# KiCad board IchnaeaV2.kicad_pcb (continued)
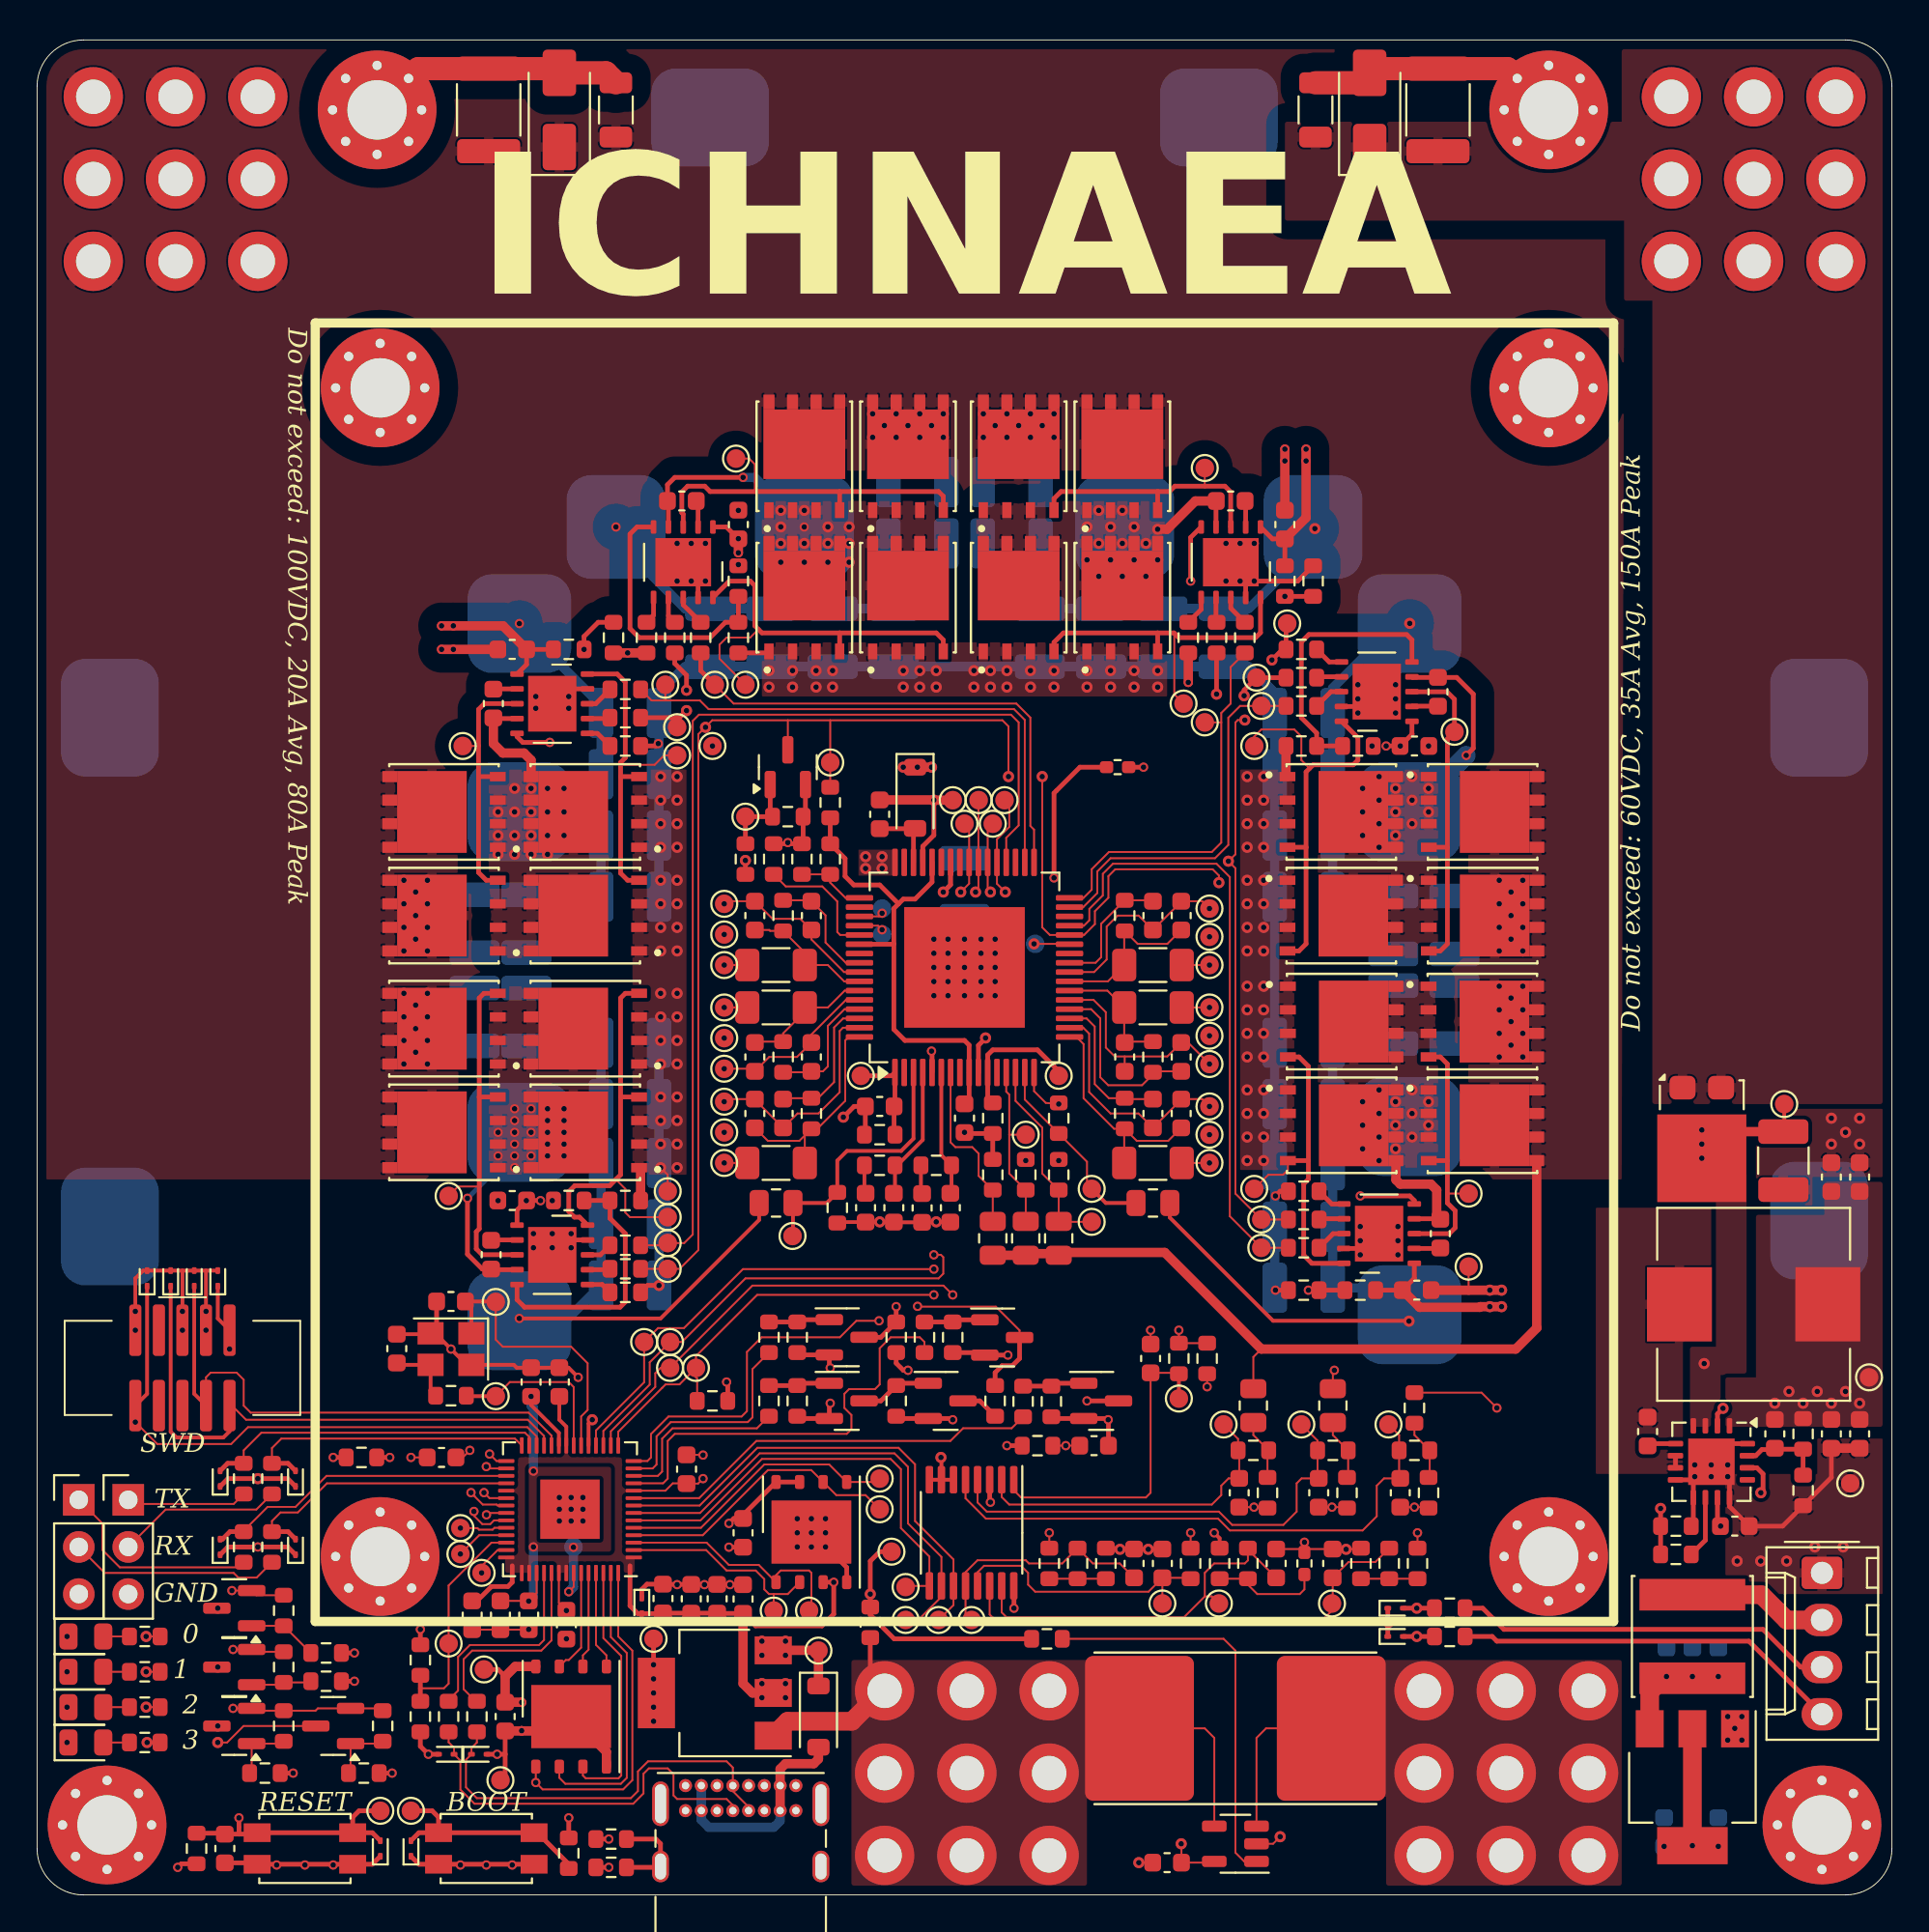
[diagram p0: board, top side]
## Placement (name value [footprint] x y rotation side) (continued)
R105  510  [R_0603_1608Metric]  5.8 8.22 180 top
R106  10k  [R_0603_1608Metric]  18.63 9.11 270 top
R107  100k  [R_0603_1608Metric]  65.57 23.97 180 top
R108  100k  [R_0603_1608Metric]  56.1 17.87 90 top
R109  10k  [R_0603_1608Metric]  54.57 17.87 90 top
R110  10k  [R_0603_1608Metric]  57.62 17.87 270 top
R111  10k  [R_0603_1608Metric]  74.42 17.87 90 top
R112  10k  [R_0603_1608Metric]  71.38 17.87 270 top
R113  100k  [R_0603_1608Metric]  72.9 17.87 90 top
R114  100k  [R_0603_1608Metric]  74.26 26.25 270 top
R115  10k  [R_0603_1608Metric]  75.02 21.68 90 top
R116  100k  [R_0603_1608Metric]  62.19 17.87 270 top
R117  100k  [R_0603_1608Metric]  74.26 23.97 180 top
R118  100k  [R_0603_1608Metric]  20.66 12.66 270 top
R119  10k  [R_0603_1608Metric]  20.66 9.61 90 top
R120  100k  [R_0603_1608Metric]  53.94 24.22 0 top
R121  100  [R_0603_1608Metric]  11.14 22.44 90 top
R122  100  [R_0603_1608Metric]  12.66 22.44 90 top
R123  100  [R_0603_1608Metric]  76.16 15.46 0 top
R124  100  [R_0603_1608Metric]  12.28 6.57 0 top
R125  10k  [R_0603_1608Metric]  13.3 9.11 270 top
R126  100  [R_0603_1608Metric]  15.58 11.52 0 top
R127  10k  [R_0603_1608Metric]  13.3 12.28 270 top
R128  100  [R_0603_1608Metric]  15.58 13.04 0 top
R129  10k  [R_0603_1608Metric]  13.3 15.33 270 top
R130  0.2m  [Shunt_5930]  64.6 8.98 0 top
R131  5.1k  [R_0603_1608Metric]  54.44 13.81 0 top
R132  10k  [R_0603_1608Metric]  44.92 14.69 90 top
SW1  Boot  [SW_SPST_EVQP2]  24.22 2.5 180 top
SW2  Reset  [SW_SPST_EVQP2]  14.44 2.5 180 top
TH1  10k-NTC  [R_0402_1005Metric_Pad0.72x0.64mm_HandSolder]  58.25 60.8 0 top
TH2  10k-NTC  [R_0402_1005Metric_Pad0.72x0.64mm_HandSolder]  68.33 17.87 90 top
TP1  TestPoint  [TestPoint_Pad_D1.0mm]  50 57.75 0 top
TP2  TestPoint  [TestPoint_Pad_D1.0mm]  50.76 59.02 0 top
TP3  TestPoint  [TestPoint_Pad_D1.0mm]  51.52 57.75 0 top
TP4  TestPoint  [TestPoint_Pad_D1.0mm]  52.16 59.02 0 top
TP5  TestPoint  [TestPoint_Pad_D1.0mm]  49.37 59.02 0 top
TP6  TestPoint  [TestPoint_Pad_D1.0mm]  66 36.41 0 top
TP7  TestPoint  [TestPoint_Pad_D1.0mm]  66 34.89 0 top
TP8  TestPoint  [TestPoint_Pad_D1.0mm]  65.62 38.06 0 top
TP9  TestPoint  [TestPoint_Pad_D1.0mm]  77.18 37.81 0 top
TP10  TestPoint  [TestPoint_Pad_D1.0mm]  77.18 33.87 0 top
TP11  TestPoint  [TestPoint_Pad_D1.0mm]  63.21 42.51 0 top
TP12  TestPoint  [TestPoint_Pad_D1.0mm]  63.21 40.98 0 top
TP13  TestPoint  [TestPoint_Pad_D1.0mm]  63.21 39.46 0 top
TP14  TestPoint  [TestPoint_Pad_D1.0mm]  38.19 58.13 0 top
TP15  TestPoint  [TestPoint_Pad_D1.0mm]  42.76 61.05 0 top
TP16  TestPoint  [TestPoint_Pad_D1.0mm]  98.77 27.9 0 top
TP17  TestPoint  [TestPoint_Pad_D1.0mm]  97.75 22.19 0 top
TP18  TestPoint  [TestPoint_Pad_D1.0mm]  94.2 42.63 0 top
TP19  TestPoint  [TestPoint_Pad_D1.0mm]  65.75 65.62 0 top
TP20  TestPoint  [TestPoint_Pad_D1.0mm]  66 64.1 0 top
TP21  TestPoint  [TestPoint_Pad_D1.0mm]  65.62 61.94 0 top
TP22  TestPoint  [TestPoint_Pad_D1.0mm]  76.42 62.7 0 top
TP23  TestPoint  [TestPoint_Pad_D1.0mm]  67.4 68.54 0 top
TP24  TestPoint  [TestPoint_Pad_D1.0mm]  61.81 64.22 0 top
TP25  TestPoint  [TestPoint_Pad_D1.0mm]  62.95 76.92 0 top
TP26  TestPoint  [TestPoint_Pad_D1.0mm]  62.95 63.21 0 top
TP27  TestPoint  [TestPoint_Pad_D1.0mm]  37.68 77.43 0 top
TP28  TestPoint  [TestPoint_Pad_D1.0mm]  38.19 65.24 0 top
TP29  TestPoint  [TestPoint_Pad_D1.0mm]  36.41 61.94 0 top
TP30  TestPoint  [TestPoint_Pad_D1.0mm]  34.51 62.95 0 top
TP31  TestPoint  [TestPoint_Pad_D1.0mm]  36.54 65.24 0 top
TP32  TestPoint  [TestPoint_Pad_D1.0mm]  33.87 65.24 0 top
TP33  TestPoint  [TestPoint_Pad_D1.0mm]  22.95 61.94 0 top
TP34  TestPoint  [TestPoint_Pad_D1.0mm]  34.51 61.43 0 top
TP35  TestPoint  [TestPoint_Pad_D1.0mm]  34 36.54 90 top
TP36  TestPoint  [TestPoint_Pad_D1.0mm]  22.19 37.68 90 top
TP37  TestPoint  [TestPoint_Pad_D1.0mm]  34 37.94 90 top
TP38  TestPoint  [TestPoint_Pad_D1.0mm]  34 33.74 90 top
TP39  TestPoint  [TestPoint_Pad_D1.0mm]  34 35.14 90 top
TP40  TestPoint  [TestPoint_Pad_D1.0mm]  37.05 39.46 0 top
TP41  TestPoint  [TestPoint_Pad_D1.0mm]  37.05 42.76 0 top
TP42  TestPoint  [TestPoint_Pad_D1.0mm]  37.05 41.11 0 top
TP43  TestPoint  [TestPoint_Pad_D1.0mm]  37.05 46.19 0 top
TP44  TestPoint  [TestPoint_Pad_D1.0mm]  37.05 47.84 0 top
TP45  TestPoint  [TestPoint_Pad_D1.0mm]  37.05 44.54 0 top
TP46  TestPoint  [TestPoint_Pad_D1.0mm]  37.05 51.78 0 top
TP47  TestPoint  [TestPoint_Pad_D1.0mm]  37.05 50.13 0 top
TP48  TestPoint  [TestPoint_Pad_D1.0mm]  37.05 53.43 0 top
TP49  TestPoint  [TestPoint_Pad_D1.0mm]  63.21 47.84 0 top
TP50  TestPoint  [TestPoint_Pad_D1.0mm]  63.21 44.79 0 top
TP51  TestPoint  [TestPoint_Pad_D1.0mm]  63.21 46.32 0 top
TP52  TestPoint  [TestPoint_Pad_D1.0mm]  63.21 51.65 0 top
TP53  TestPoint  [TestPoint_Pad_D1.0mm]  63.21 50.13 0 top
TP54  TestPoint  [TestPoint_Pad_D1.0mm]  63.21 53.17 0 top
TP55  TestPoint  [TestPoint_Pad_D1.0mm]  45.56 51.78 180 bottom
TP56  TestPoint  [TestPoint_Pad_D1.0mm]  53.81 51.27 180 bottom
TP57  TestPoint  [TestPoint_Pad_D1.0mm]  45.56 53.17 180 bottom
TP58  TestPoint  [TestPoint_Pad_D1.0mm]  44.41 44.16 0 top
TP59  TestPoint  [TestPoint_Pad_D1.0mm]  55.08 44.16 0 top
TP60  TestPoint  [TestPoint_Pad_D1.0mm]  56.86 38.06 0 top
TP61  TestPoint  [TestPoint_Pad_D1.0mm]  56.86 36.28 0 top
TP62  TestPoint  [TestPoint_Pad_D1.0mm]  53.3 40.98 0 top
TP63  TestPoint  [TestPoint_Pad_D1.0mm]  40.73 35.52 0 top
TP64  TestPoint  [TestPoint_Pad_D1.0mm]  28.92 18.76 180 bottom
TP65  TestPoint  [TestPoint_Pad_D1.0mm]  33.24 13.81 0 top
TP66  TestPoint  [TestPoint_Pad_D1.0mm]  42.13 13.17 0 top
TP67  TestPoint  [TestPoint_Pad_D1.0mm]  46.06 18.5 0 top
TP68  TestPoint  [TestPoint_Pad_D1.0mm]  48.6 14.82 0 top
TP69  TestPoint  [TestPoint_Pad_D1.0mm]  46.82 14.82 0 top
TP70  TestPoint  [TestPoint_Pad_D1.0mm]  46.82 16.6 0 top
TP71  TestPoint  [TestPoint_Pad_D1.0mm]  24.09 12.15 0 top
TP72  TestPoint  [TestPoint_Pad_D1.0mm]  24.98 6.19 0 top
TP73  TestPoint  [TestPoint_Pad_D1.0mm]  18.5 4.53 0 top
TP74  TestPoint  [TestPoint_Pad_D1.0mm]  20.16 4.53 0 top
TP75  TestPoint  [TestPoint_Pad_D1.0mm]  24.73 31.97 90 top
TP76  TestPoint  [TestPoint_Pad_D1.0mm]  24.73 26.89 90 top
TP77  TestPoint  [TestPoint_Pad_D1.0mm]  41.62 15.33 0 top
TP78  TestPoint  [TestPoint_Pad_D1.0mm]  45.43 20.79 0 top
TP79  TestPoint  [TestPoint_Pad_D1.0mm]  45.43 22.44 0 top
TP80  TestPoint  [TestPoint_Pad_D1.0mm]  39.71 15.33 0 top
TP81  TestPoint  [TestPoint_Pad_D1.0mm]  35.52 28.41 0 top
TP82  TestPoint  [TestPoint_Pad_D1.0mm]  34.12 28.41 0 top
TP83  TestPoint  [TestPoint_Pad_D1.0mm]  34.12 29.81 0 top
TP84  TestPoint  [TestPoint_Pad_D1.0mm]  32.73 29.81 0 top
TP85  TestPoint  [TestPoint_Pad_D1.0mm]  61.56 26.76 0 top
TP86  TestPoint  [TestPoint_Pad_D1.0mm]  22.82 18.38 0 top
TP87  TestPoint  [TestPoint_Pad_D1.0mm]  22.19 13.55 0 top
TP88  TestPoint  [TestPoint_Pad_D1.0mm]  22.82 19.77 0 top
TP89  TestPoint  [TestPoint_Pad_D1.0mm]  68.16 25.36 0 top
TP90  TestPoint  [TestPoint_Pad_D1.0mm]  63.72 15.71 0 top
TP91  TestPoint  [TestPoint_Pad_D1.0mm]  63.97 25.36 0 top
TP92  TestPoint  [TestPoint_Pad_D1.0mm]  72.86 25.36 0 top
TP93  TestPoint  [TestPoint_Pad_D1.0mm]  69.81 15.71 0 top
TP94  TestPoint  [TestPoint_Pad_D1.0mm]  50.38 14.82 0 top
TP95  TestPoint  [TestPoint_Pad_D1.0mm]  60.67 15.71 0 top
TP96  TestPoint  [TestPoint_Pad_D1.0mm]  23.97 17.36 0 top
U1  LTC7871  [LQFP-64-1EP_10x10mm_P0.5mm_EP6.5x6.5mm]  50 50 90 top
U2  HIP2210  [TDFN-10-1EP_4x4mm_P0.8mm_EP2.6x3mm]  72.35 35.65 180 top
U3  HIP2210  [TDFN-10-1EP_4x4mm_P0.8mm_EP2.6x3mm]  72.22 64.87 180 top
U4  HIP2210  [TDFN-10-1EP_4x4mm_P0.8mm_EP2.6x3mm]  64.36 71.84 270 top
U5  HIP2210  [TDFN-10-1EP_4x4mm_P0.8mm_EP2.6x3mm]  34.84 71.84 270 top
U6  HIP2210  [TDFN-10-1EP_4x4mm_P0.8mm_EP2.6x3mm]  27.78 64.22 0 top
U7  HIP2210  [TDFN-10-1EP_4x4mm_P0.8mm_EP2.6x3mm]  27.78 34.51 0 top
U8  AP66200FVBW-13  [QFN-16-1EP_4x4mm_P0.65mm_EP2.5x2.5mm]  90.27 23.35 270 top
U9  74HC4051PW  [TSSOP-16_4.4x5mm_P0.65mm]  50.38 19.52 270 top
U10  W25Q32JVZP  [WSON-8-1EP_6x5mm_P1.27mm_EP3.4x4.3mm]  28.79 9.61 90 top
U11  RP2040  [QFN-56-1EP_7x7mm_P0.4mm_EP3.2x3.2mm]  28.73 20.79 180 top
U12  LM1117MP-5.0  [SOT-223-3_TabPin2]  89.24 5.8 270 top
U13  LM1117MP-3.3  [SOT-223-3_TabPin2]  36.54 10.88 180 top
U14  W25Q32JVZP  [WSON-8-1EP_6x5mm_P1.27mm_EP3.4x4.3mm]  41.75 19.56 90 top
U15  INA180A4  [SOT-23-5]  64.6 2.76 180 top
Y1  12MHz  [Crystal_SMD_3225-4Pin_3.2x2.5mm]  22.31 29.43 180 top

## Library data of the parts
C1 = -: Description: Unpolarized capacitor; Digikey: N/A; LCSC: C96446; Voltage: 25; ki_fp_filters: C_*
C2 C4 C5 C7 C11 C13 C17 C19 C25 C31 C35 C37 C41-C48 C50 C51 C53-C65 C71-C73 C82 C83 = -: Description: Unpolarized capacitor; Digikey: 445-CGA6P1X7R1N106M250ACCT-ND; LCSC: C576517; ki_fp_filters: C_*
C3 C6 C12 C18 C24 C30 C36 C75 C78-C81 C85 C87 C90 C93 C95 C105-C110 = -: Description: Unpolarized capacitor; Digikey: N/A; LCSC: C96446; ki_fp_filters: C_*
C8 C10 C14 C16 C20 C22 C26 C28 C32 C34 C38 C40 = -: Description: Unpolarized capacitor; Digikey: N/A; LCSC: C1623; ki_fp_filters: C_*
C9 C15 C21 C23 C27 C29 C33 C39 C66 C69 C70 C74 C76 C84 C86 C88 C89 C91 C92 C94 C96-C104 C111 = -: Description: Unpolarized capacitor; LCSC: C14663; Digikey: N/A; ki_fp_filters: C_*
C49 C52 = -: Description: Unpolarized capacitor; Digikey: N/A; LCSC: C1644; ki_fp_filters: C_*
C67 C68 C77 = -: Description: Unpolarized capacitor; LCSC: C1671; Digikey: N/A; ki_fp_filters: C_*
D1 = -: Datasheet: https://www.lcsc.com/datasheet/lcsc_datasheet_2401290750_MDD-Microdiode-Semiconductor-SB10100L_C113946.pdf; Description: Schottky diode, anode on pins 1 and 2; LCSC: C113946; ki_fp_filters: TO-???* *_Diode_* *SingleDiode* D_*
D2 D3 D19-D21 D24 = -: Datasheet: https://www.onsemi.com/pub/Collateral/ESD9B-D.PDF; Description: ESD protection diode, 5.0Vrwm, SOD-923; LCSC: C3021104; ki_fp_filters: D*SOD?923*
D4 D10 = -: Description: Schottky diode; LCSC: C179426; ki_fp_filters: TO-???* *_Diode_* *SingleDiode* D_*
D5 D6 = -: Description: Light emitting diode; LCSC: C2296; Digikey: N/A; ki_fp_filters: LED* LED_SMD:* LED_THT:*
D7 D8 = -: Description: Light emitting diode; LCSC: C2297; Digikey: N/A; ki_fp_filters: LED* LED_SMD:* LED_THT:*
D9 D11-D18 = -: Datasheet: https://www.onsemi.com/pub/Collateral/ESD9B-D.PDF; Description: ESD protection diode, 3.3Vrwm, SOD-923; LCSC: C96512; ki_fp_filters: D*SOD?923*
D22 = -: Datasheet: https://www.littelfuse.com/media?resourcetype=datasheets&itemid=75e32973-b177-4ee3-a0ff-cedaf1abdb93&filename=smaj-datasheet; Description: 400W unidirectional Transient Voltage Suppressor, 90.0Vr, SMA(DO-214AC); LCSC: C2989723; ki_fp_filters: D*SMA*
D23 = -: Datasheet: https://www.littelfuse.com/media?resourcetype=datasheets&itemid=75e32973-b177-4ee3-a0ff-cedaf1abdb93&filename=smaj-datasheet; Description: 400W unidirectional Transient Voltage Suppressor, 60.0Vr, SMA(DO-214AC); LCSC: C707480; ki_fp_filters: D*SMA*
GD1 GD2 = -: Datasheet: https://www.lcsc.com/datasheet/lcsc_datasheet_1809111912_Brightking-4532-091-LF_C78323.pdf; Description: Gas Discharge Tube with 2 Pins; LCSC: C78323
H1-H8 = -: Description: Mounting Hole with connection; Digikey: N/A; LCSC: N/A; ki_fp_filters: MountingHole*Pad*
J1-J3 J8 = -: Description: Generic screw terminal, single row, 01x09, script generated (kicad-library-utils/schlib/autogen/connector/); Digikey: 732-74651195RCT-ND; LCSC: N/A; ki_fp_filters: TerminalBlock*:*
J4 = -: Description: Generic connector, double row, 02x05, counter clockwise pin numbering scheme (similar to DIP package numbering), script generated (kicad-library-utils/schlib/autogen/connector/); Digikey: 1175-1629-ND; LCSC: N/A; ki_fp_filters: Connector*:*_2x??_*
J5 = -: Description: Generic connector, single row, 01x04, script generated; Digikey: WM4330-ND; Notes: https://allpinouts.org/pinouts/connectors/motherboards/motherboard-cpu-4-pin-fan/; LCSC: N/A; ki_fp_filters: Connector*:*_1x??_*
J6 J7 = -: Description: Generic connector, single row, 01x03, script generated; Digikey: N/A; LCSC: N/A; ki_fp_filters: Connector*:*_1x??_*
L1-L6 = -: Description: Inductor with ferrite core; Digikey: PQ2614BLA-3R3K-ND; LCSC: N/A; ki_fp_filters: Choke_* *Coil* Inductor_* L_*
L7 = -: Description: Inductor with ferrite core; Digikey: N/A; LCSC: C182173; ki_fp_filters: Choke_* *Coil* Inductor_* L_*
L8 = -: Description: Inductor with ferrite core; LCSC: C168103; ki_fp_filters: Choke_* *Coil* Inductor_* L_*
P1 = -: Datasheet: https://www.usb.org/sites/default/files/documents/usb_type-c.zip; Description: USB 2.0-only 16P Type-C Receptacle connector; Digikey: 2073-USB4085-GF-ACT-ND; LCSC: C7095263; ki_fp_filters: USB*C*Receptacle*
Q1 Q26 Q28-Q34 = -: Datasheet: https://www.onsemi.com/pub/Collateral/BSS138-D.PDF; Description: 50V Vds, 0.22A Id, N-Channel MOSFET, SOT-23; Digikey: 5272-BSS138CT-ND; LCSC: C5224260; ki_fp_filters: SOT?23*
Q2-Q25 = -: Datasheet: https://www.mccsemi.com/pdf/Products/MCAC80N10Y(DFN5060).pdf; Description: N-MOSFET transistor, drain/gate/source; Digikey: 353-MCAC80N10Y-TPCT-ND; LCSC: N/A; DigiKey: 353-MCAC80N10Y-TPCT-ND
Q27 = -: Datasheet: http://assets.nexperia.com/documents/data-sheet/BSS84.pdf; Description: -0.13A Id, -50V Vds, P-Channel MOSFET, SOT-23; Digikey: 5272-BSS84CT-ND; LCSC: C2926187; ki_fp_filters: SOT?23*
R1 R51 = -: Description: Resistor, US symbol; LCSC: C21190; Digikey: N/A; ki_fp_filters: R_*
R2 R29 R36-R38 R40 R43-R46 R50 R61 R64 R66 R69 R72 R75 R77 R80 R84 R86 R89 R96 R106 R109-R112 R115 R119 R125 R127 R129 R132 = -: Description: Resistor, US symbol; LCSC: C25804; Digikey: N/A; ki_fp_filters: R_*
R3 R41 R42 R49 R83 R94 R97 R100 R101 R121-R124 R126 R128 = -: Description: Resistor, US symbol; Digikey: N/A; LCSC: C22775; ki_fp_filters: R_*
R4 R5 R8 R9 R12 R13 R16 R17 R20 R21 R25 R54 R56 R62 R63 R68 R71 R74 = -: Description: Resistor, US symbol; Digikey: N/A; LCSC: C21189; ki_fp_filters: R_*
R6 R10 R14 R18 R22 R26 = -: Description: Resistor, US symbol; Digikey: 311-6.20KFRCT-ND; LCSC: C3017007; ki_fp_filters: R_*
R7 R11 R15 R19 R23 R24 R27 R65 R67 R70 R73 R76 = -: Description: Resistor, US symbol; Digikey: N/A; LCSC: C4260; ki_fp_filters: R_*
R28 = -: Description: Resistor, US symbol; LCSC: C31850; Digikey: N/A; ki_fp_filters: R_*
R30 = -: Description: Resistor, US symbol; Digikey: N/A; LCSC: C22984; ki_fp_filters: R_*
R31 R35 R81 = -: Description: Resistor, US symbol; LCSC: C17709; Digikey: N/A; ki_fp_filters: R_*
R32 = -: Description: Resistor, US symbol; LCSC: C22809; Digikey: N/A; ki_fp_filters: R_*
R33 R39 = -: Description: Resistor, US symbol; Digikey: P787KHCT-ND; LCSC: C2933500; ki_fp_filters: R_*
R34 = -: Description: Resistor, US symbol; Digikey: N/A; LCSC: C17436; ki_fp_filters: R_*
R47 = -: Description: Resistor, US symbol; Digikey: N/A; LCSC: C4211; ki_fp_filters: R_*
R48 R85 R95 = -: Description: Resistor, US symbol; Digikey: N/A; LCSC: C21190; ki_fp_filters: R_*
R52 = -: Description: Resistor, US symbol; Digikey: N/A; LCSC: C23231; ki_fp_filters: R_*
R53 R55 = -: Description: Resistor, US symbol; LCSC: C17900; ki_fp_filters: R_*
R57 = -: Description: Resistor, US symbol; LCSC: C23231; Digikey: N/A; ki_fp_filters: R_*
R58 = -: Description: Resistor, US symbol; LCSC: C23192; Digikey: N/A; ki_fp_filters: R_*
R59 = -: Description: Resistor, US symbol; LCSC: C23234; Digikey: N/A; ki_fp_filters: R_*
R60 R87 R88 R91 R107 R108 R113 R114 R116-R118 R120 = -: Description: Resistor, US symbol; LCSC: C25803; Digikey: N/A; ki_fp_filters: R_*
R78 = -: Description: Resistor, US symbol; Digikey: N/A; LCSC: C17709; ki_fp_filters: R_*
R79 = -: Description: Resistor, US symbol; Digikey: N/A; LCSC: C22967; ki_fp_filters: R_*
R82 = -: Description: Resistor, US symbol; Digikey: N/A; LCSC: C22809; ki_fp_filters: R_*
R90 R92 R131 = -: Description: Resistor, US symbol; LCSC: C23186; Digikey: N/A; ki_fp_filters: R_*
R93 = -: Description: Resistor, US symbol; Digikey: N/A; LCSC: C25803; ki_fp_filters: R_*
R98 R99 = -: Description: Resistor, US symbol; LCSC: C23345; Digikey: N/A; ki_fp_filters: R_*
R102-R105 = -: Description: Resistor, US symbol; Digikey: N/A; LCSC: C23193; ki_fp_filters: R_*
R130 = -: Datasheet: https://www.lcsc.com/datasheet/lcsc_datasheet_2405291152_RESI-PEWM5930FL200K9_C22446543.pdf; Description: Resistor, US symbol; LCSC: C22446543; ki_fp_filters: R_*
SW1 SW2 = -: Description: Push button switch, generic, two pins; Digikey: P11081SCT-ND; LCSC: C2915169
TH1 TH2 = -: Description: Thermistor, temperature dependent resistor, US symbol; Digikey: 445-2550-1-ND; LCSC: C333993; ki_fp_filters: R_*
TP1-TP96 = -: Description: test point; LCSC: N/A; ki_fp_filters: Pin* Test*
U1 = -: Datasheet: https://www.analog.com/media/en/technical-documentation/data-sheets/ltc7871.pdf; Description: Six-Phase Synchronous Bidirectional Buck or Boost Controller; Digikey: 505-LTC7871ELWE#PBF-ND; LCSC: C690288
U2-U7 = -: Datasheet: https://www.renesas.com/us/en/document/dst/hip2210-hip2211-datasheet?r=1320376; Digikey: 20-HIP2210FRTZ-TCT-ND; LCSC: N/A
U8 = -: Datasheet: https://www.diodes.com/assets/Datasheets/AP66200.pdf; Digikey: 31-AP66200FVBW-13CT-ND; LCSC: N/A
U9 = -: Datasheet: http://www.ti.com/lit/ds/symlink/cd74hc4051.pdf; Description: 8-channel analog multiplexer/demultiplexer, DIP-16/SOIC-16/TSSOP-16; Digikey: 1727-3064-1-ND; LCSC: C19723805; ki_fp_filters: DIP*W7.62mm* SOIC*3.9x9.9mm*P1.27mm* SOIC*5.3x10.2mm*P1.27mm* TSSOP*4.4x5mm*P0.65mm*
U10 U14 = -: Datasheet: http://www.winbond.com/resource-files/w25q32jv%20revg%2003272018%20plus.pdf; Description: 32Mb Serial Flash Memory, Standard/Dual/Quad SPI, DFN-8; Digikey: W25Q32JVZPIQ-ND; LCSC: C571260; JLCPCB Rotation Offset: -90; ki_fp_filters: WSON*1EP*6x5mm*P1.27mm*
U11 = -: Datasheet: https://datasheets.raspberrypi.com/rp2040/rp2040-datasheet.pdf; Description: A microcontroller by Raspberry Pi; Digikey: 2648-SC0914(13)CT-ND; LCSC: C2040; JLCPCB Rotation Offset: -90; ki_fp_filters: QFN*1EP*7x7mm?P0.4mm*
U12 = -: Datasheet: http://www.ti.com/lit/ds/symlink/lm1117.pdf; Description: 800mA Low-Dropout Linear Regulator, 5.0V fixed output, SOT-223; LCSC: C6187; Digikey: N/A; ki_fp_filters: SOT?223*
U13 = -: Datasheet: http://www.ti.com/lit/ds/symlink/lm1117.pdf; Description: 800mA Low-Dropout Linear Regulator, 3.3V fixed output, SOT-223; Digikey: N/A; LCSC: C6186; ki_fp_filters: SOT?223*
U15 = -: Datasheet: http://www.ti.com/lit/ds/symlink/ina180.pdf; Description: Current Sense Amplifier, 1 Circuit, Rail-to-Rail, 26V, Gain 200 V/V, SOT-23-5; LCSC: C188337; ki_fp_filters: SOT?23*
Y1 = -: Description: Four pin crystal, GND on pins 2 and 4; Digikey: XC2613CT-ND; LCSC: C7294550; ki_fp_filters: Crystal*

## Footprints (pads in the part's own frame, mm; a bottom-side part is the same pattern mirrored in y, then rotated)
Bournes_L_PQ2614BLA
  rrect 6.35x5.28 smd: (0,7.72)
  rrect 5.33x5.59 smd: 1(-5.075,-14.355) 2(5.075,-14.355)
C_0603_1608Metric
  rrect 0.9x0.95 smd: 1(-0.775,0) 2(0.775,0)
C_1210_3225Metric_Pad1.33x2.70mm_HandSolder
  rrect 1.325x2.7 smd: 1(-1.562,0) 2(1.562,0)
CONN_74651195R_WRE
  round 3.2 hole 1.854: 1(0,0) 2(0,-4.435) 3(0,-8.87) 4(4.435,0) 5(4.435,-4.435) 6(4.435,-8.87) 7(8.87,0) 8(8.87,-4.435) 9(8.87,-8.87)
Crystal_SMD_3225-4Pin_3.2x2.5mm
  rect 1.4x1.2 smd: 1(-1.1,-0.85) 2(1.1,-0.85) 3(1.1,0.85) 4(-1.1,0.85)
D_SMA
  rrect 2.5x1.8 smd: 1(-2,0) 2(2,0)
D_SOD-123
  rrect 0.9x1.2 smd: 1(-1.65,0) 2(1.65,0)
D_SOD-923
  rrect 0.36x0.25 smd: 1(-0.42,0) 2(0.42,0)
Fuse_1812_4532Metric_Pad1.30x3.40mm_HandSolder
  rrect 1.3x3.4 smd: 1(-2.225,0) 2(2.225,0)
JTAG_2x05_P1_27mm_Shrouded_SMD
  rrect 0.65x2.77 smd: 1(-2.54,-2.032) 2(-1.27,-2.032) 3(0,-2.032) 4(1.27,-2.032) 5(2.54,-2.032) 6(2.54,2.032) 7(1.27,2.032) 8(0,2.032) 9(-1.27,2.032) 10(-2.54,2.032)
L_Changjiang_FNR6045S
  rect 1.7x5.7 smd: 1(-2.25,0) 2(2.25,0)
L_Wuerth_HCI-1040
  rect 3.5x4 smd: 1(-4,0) 2(4,0)
LED_0805_2012Metric
  rrect 0.975x1.4 smd: 1(-0.938,0) 2(0.938,0)
LQFP-64-1EP_10x10mm_P0.5mm_EP6.5x6.5mm
  rrect 1.05x1.05 smd: (-2.6,2.6) (-2.6,1.3) (-2.6,0) (-2.6,-1.3) (-2.6,-2.6) (-1.3,2.6) (-1.3,1.3) (-1.3,0) (-1.3,-1.3) (-1.3,-2.6) (0,2.6) (0,1.3) (0,0) (0,-1.3) (0,-2.6) (1.3,2.6) (1.3,1.3) (1.3,0) (1.3,-1.3) (1.3,-2.6) (2.6,2.6) (2.6,1.3) (2.6,0) (2.6,-1.3) (2.6,-2.6)
  rrect 1.475x0.3 smd: 1(-5.662,3.75) 2(-5.662,3.25) 3(-5.662,2.75) 4(-5.662,2.25) 5(-5.662,1.75) 6(-5.662,1.25) 7(-5.662,0.75) 8(-5.662,0.25) 9(-5.662,-0.25) 10(-5.662,-0.75) 11(-5.662,-1.25) 12(-5.662,-1.75) 13(-5.662,-2.25) 14(-5.662,-2.75) 15(-5.662,-3.25) 16(-5.662,-3.75) 33(5.662,-3.75) 34(5.662,-3.25) 35(5.662,-2.75) 36(5.662,-2.25) 37(5.662,-1.75) 38(5.662,-1.25) 39(5.662,-0.75) 40(5.662,-0.25) 41(5.662,0.25) 42(5.662,0.75) 43(5.662,1.25) 44(5.662,1.75) 45(5.662,2.25) 46(5.662,2.75) 47(5.662,3.25) 48(5.662,3.75)
  rrect 0.3x1.475 smd: 17(-3.75,-5.662) 18(-3.25,-5.662) 19(-2.75,-5.662) 20(-2.25,-5.662) 21(-1.75,-5.662) 22(-1.25,-5.662) 23(-0.75,-5.662) 24(-0.25,-5.662) 25(0.25,-5.662) 26(0.75,-5.662) 27(1.25,-5.662) 28(1.75,-5.662) 29(2.25,-5.662) 30(2.75,-5.662) 31(3.25,-5.662) 32(3.75,-5.662) 49(3.75,5.662) 50(3.25,5.662) 51(2.75,5.662) 52(2.25,5.662) 53(1.75,5.662) 54(1.25,5.662) 55(0.75,5.662) 56(0.25,5.662) 57(-0.25,5.662) 58(-0.75,5.662) 59(-1.25,5.662) 60(-1.75,5.662) 61(-2.25,5.662) 62(-2.75,5.662) 63(-3.25,5.662) 64(-3.75,5.662)
  rect 6.5x6.5 smd: 65(0,0)
Molex_KK-254_AE-6410-04A_1x04_P2.54mm_Vertical
  rrect 1.74x2.19 hole 1.19: 1(0,0)
  oval 1.74x2.19 hole 1.19: 2(2.54,0) 3(5.08,0) 4(7.62,0)
MountingHole_3.2mm_M3_Pad_Via
  round 0.8 hole 0.5: 1(-2.4,0) 1(-1.697,1.697) 1(-1.697,-1.697) 1(0,2.4) 1(0,-2.4) 1(1.697,1.697) 1(1.697,-1.697) 1(2.4,0)
  round 6.4 hole 3.2: 1(0,0)
PinHeader_1x03_P2.54mm_Vertical
  rect 1.7x1.7 hole 1: 1(0,0)
  oval 1.7x1.7 hole 1: 2(0,-2.54) 3(0,-5.08)
QFN-16-1EP_4x4mm_P0.65mm_EP2.5x2.5mm
  rrect 1.01x1.01 smd: (-0.625,0.625) (-0.625,-0.625) (0.625,0.625) (0.625,-0.625)
  rrect 0.825x0.3 smd: 1(-1.938,0.975) 2(-1.938,0.325) 3(-1.938,-0.325) 4(-1.938,-0.975) 9(1.938,-0.975) 10(1.938,-0.325) 11(1.938,0.325) 12(1.938,0.975)
  rrect 0.3x0.825 smd: 5(-0.975,-1.938) 6(-0.325,-1.938) 7(0.325,-1.938) 8(0.975,-1.938) 13(0.975,1.938) 14(0.325,1.938) 15(-0.325,1.938) 16(-0.975,1.938)
  rect 2.5x2.5 smd: 17(0,0)
QFN-56-1EP_7x7mm_P0.4mm_EP3.2x3.2mm
  rrect 1.29x1.29 smd: (-0.8,0.8) (-0.8,-0.8) (0.8,0.8) (0.8,-0.8)
  rrect 0.875x0.2 smd: 1(-3.438,2.6) 2(-3.438,2.2) 3(-3.438,1.8) 4(-3.438,1.4) 5(-3.438,1) 6(-3.438,0.6) 7(-3.438,0.2) 8(-3.438,-0.2) 9(-3.438,-0.6) 10(-3.438,-1) 11(-3.438,-1.4) 12(-3.438,-1.8) 13(-3.438,-2.2) 14(-3.438,-2.6) 29(3.438,-2.6) 30(3.438,-2.2) 31(3.438,-1.8) 32(3.438,-1.4) 33(3.438,-1) 34(3.438,-0.6) 35(3.438,-0.2) 36(3.438,0.2) 37(3.438,0.6) 38(3.438,1) 39(3.438,1.4) 40(3.438,1.8) 41(3.438,2.2) 42(3.438,2.6)
  rrect 0.2x0.875 smd: 15(-2.6,-3.438) 16(-2.2,-3.438) 17(-1.8,-3.438) 18(-1.4,-3.438) 19(-1,-3.438) 20(-0.6,-3.438) 21(-0.2,-3.438) 22(0.2,-3.438) 23(0.6,-3.438) 24(1,-3.438) 25(1.4,-3.438) 26(1.8,-3.438) 27(2.2,-3.438) 28(2.6,-3.438) 43(2.6,3.438) 44(2.2,3.438) 45(1.8,3.438) 46(1.4,3.438) 47(1,3.438) 48(0.6,3.438) 49(0.2,3.438) 50(-0.2,3.438) 51(-0.6,3.438) 52(-1,3.438) 53(-1.4,3.438) 54(-1.8,3.438) 55(-2.2,3.438) 56(-2.6,3.438)
  rect 3.2x3.2 smd: 57(0,0)
R_0402_1005Metric_Pad0.72x0.64mm_HandSolder
  rrect 0.715x0.64 smd: 1(-0.598,0) 2(0.598,0)
R_0603_1608Metric
  rrect 0.8x0.95 smd: 1(-0.825,0) 2(0.825,0)
R_0805_2012Metric
  rrect 1.025x1.4 smd: 1(-0.912,0) 2(0.912,0)
R_1206_3216Metric
  rrect 1.125x1.75 smd: 1(-1.462,0) 2(1.462,0)
R_1206_3216Metric_Pad1.30x1.75mm_HandSolder
  rrect 1.3x1.75 smd: 1(-1.55,0) 2(1.55,0)
Shunt_5930
  rrect 5.87x7.81 smd: 1(-5.17,0) 2(5.17,0)
SOT-23
  rrect 1.475x0.6 smd: 1(-0.938,0.95) 2(-0.938,-0.95) 3(0.938,0)
SOT-23-5
  rrect 1.325x0.6 smd: 1(-1.137,0.95) 2(-1.137,0) 3(-1.137,-0.95) 4(1.137,-0.95) 5(1.137,0.95)
SOT-223-3_TabPin2
  rect 2x1.5 smd: 1(-3.15,2.3) 2(-3.15,0) 3(-3.15,-2.3)
  rect 2x3.8 smd: 2(3.15,0)
SW_SPST_EVQP2
  rect 1.45x1 smd: 1(-2.575,0.85) 1(2.575,0.85) 2(-2.575,-0.85) 2(2.575,-0.85)
TDFN-10-1EP_4x4mm_P0.8mm_EP2.6x3mm
  rrect 0.73x0.81 smd: (0,0.5) (0,-0.5)
  rrect 0.725x0.3 smd: 1(-1.9,1.6) 2(-1.9,0.8) 3(-1.9,0) 4(-1.9,-0.8) 5(-1.9,-1.6) 6(1.9,-1.6) 7(1.9,-0.8) 8(1.9,0) 9(1.9,0.8) 10(1.9,1.6)
  rect 2.6x3 smd: 11(0,0)
TestPoint_Pad_D1.0mm
  round 1 smd: 1(0,0)
TO-277A
  rrect 1.25x1.2 smd: (-1.7,0.65) (-1.7,-1.04) (-1.7,-2.7) (0,0.65) (0,-1.04) (0,-2.7) (1.7,0.65) (1.7,-1.04) (1.7,-2.7)
  rrect 1.4x1.27 smd: 1(-1.04,2.765) 2(1.04,2.765)
  rect 4.8x4.72 smd: 3(0,-1.04)
TRANS_BSC076N06NS3-G
  rect 3.75x4.41 smd: 1(0.65,0)
  rect 0.8x0.6 smd: 1(2.925,1.905) 1(2.925,0.635) 1(2.925,-0.635) 1(2.925,-1.905)
  rect 0.85x0.5 smd: 2(-2.9,-1.905) 3(-2.9,1.905) 3(-2.9,0.635) 3(-2.9,-0.635)
TSSOP-16_4.4x5mm_P0.65mm
  rrect 1.475x0.4 smd: 1(-2.862,2.275) 2(-2.862,1.625) 3(-2.862,0.975) 4(-2.862,0.325) 5(-2.862,-0.325) 6(-2.862,-0.975) 7(-2.862,-1.625) 8(-2.862,-2.275) 9(2.862,-2.275) 10(2.862,-1.625) 11(2.862,-0.975) 12(2.862,-0.325) 13(2.862,0.325) 14(2.862,0.975) 15(2.862,1.625) 16(2.862,2.275)
USB_C_Receptacle_GCT_USB4085
  round 0.7 hole 0.4: A1(0,0) A4(0.85,0) A5(1.7,0) A6(2.55,0) A7(3.4,0) A8(4.25,0) A9(5.1,0) A12(5.95,0) B1(5.95,-1.35) B4(5.1,-1.35) B5(4.25,-1.35) B6(3.4,-1.35) B7(2.55,-1.35) B8(1.7,-1.35) B9(0.85,-1.35) B12(0,-1.35)
  oval 0.9x2.4 hole 0.6x2.1: S1(-1.35,-0.98) S1(7.3,-0.98)
  oval 0.9x1.7 hole 0.6x1.4: S1(-1.35,-4.36) S1(7.3,-4.36)
WSON-8-1EP_6x5mm_P1.27mm_EP3.4x4.3mm
  rrect 1.37x1.73 smd: (-0.85,1.075) (-0.85,-1.075) (0.85,1.075) (0.85,-1.075)
  rrect 0.75x0.5 smd: 1(-2.7,1.905) 2(-2.7,0.635) 3(-2.7,-0.635) 4(-2.7,-1.905) 5(2.7,-1.905) 6(2.7,-0.635) 7(2.7,0.635) 8(2.7,1.905)
  rect 3.4x4.3 smd: 9(0,0)

## Nets
1V1_MON: C102.1 R116.2 TP95.1 U9.13
3V3_MON: C100.1 R108.2 TP94.1 U9.12
5V0_MON: C101.1 R113.2 TP93.1 U9.14
12V_MON: C103.1 R117.2 TP92.1 U9.5
+1V1: C74.1 C84.1 C85.1 R116.1 TP64.1 U11.23 U11.45 U11.50
+3.3V: C29.1 C86.1 C87.1 C88.1 C89.1 C91.1 C94.1 C95.1 C109.1 C110.1 C111.1 D18.2 D24.1 J4.1 R85.2 R89.2 R96.2 R102.1 R103.1 R104.1 R105.1 R109.2 R118.1 TP65.1 TP71.1 U10.8 U11.1 U11.10 U11.22 U11.33 U11.42 U11.43 U11.44 U11.48 U11.49 U13.2 U14.3 U14.7 U14.8
+5V: C92.1 C93.1 C107.1 C108.1 D4.1 Q27.2 R44.2 R51.2 R77.2 R80.2 R111.2 TP66.1 U9.16 U12.2 U13.3 U15.5
+12V: C6.1 C12.1 C18.1 C24.1 C30.1 C36.1 C77.2 C78.1 C79.1 C80.1 C81.1 D10.1 J5.2 L7.2 L8.1 R60.2 R61.1 R64.1 R66.1 R69.1 R72.1 R75.1 R114.1 TP16.1 U2.1 U3.1 U4.1 U5.1 U6.1 U7.1 U8.1
GND: C1.2 C2.2 C3.2 C4.2 C5.2 C6.2 C7.2 C11.2 C12.2 C13.2 C17.2 C18.2 C19.2 C23.2 C24.2 C25.2 C29.2 C30.2 C31.2 C35.2 C36.2 C37.2 C41.2 C42.2 C43.2 C44.2 C45.2 C46.2 C47.2 C48.2 C49.1 C50.2 C51.2 C52.1 C53.2 C54.2 C55.2 C56.2 C57.2 C58.2 C59.2 C60.2 C61.2 C62.2 C63.2 C64.2 C65.2 C66.2 C67.2 C68.2 C69.2 C70.2 C71.2 C72.2 C73.2 C74.2 C75.2 C78.2 C79.2 C80.2 C81.2 C82.2 C83.2 C84.2 C85.2 C86.2 C87.2 C88.2 C89.2 C90.2 C91.2 C92.2 C93.2 C94.2 C95.2 C96.2 C97.2 C98.2 C99.2 C100.2 C101.2 C102.2 C103.2 C104.2 C105.2 C106.2 C107.2 C108.2 C109.2 C110.2 C111.2 D2.2 D3.2 D9.1 D11.1 D12.1 D13.1 D14.1 D15.1 D16.1 D17.1 D18.1 D19.2 D20.2 D21.2 D22.2 D23.2 D24.2 GD1.1 GD2.1 H1.1 H2.1 H3.1 H4.1 H5.1 H6.1 H7.1 H8.1 J3.1 J3.2 J3.3 J3.4 J3.5 J3.6 J3.7 J3.8 J3.9 J4.2 J4.3 J4.5 J5.1 J6.3 J7.3 P1.A1 P1.A12 P1.B1 P1.B12 P1.S1 Q1.2 Q3.3 Q5.3 Q7.3 Q9.3 Q11.3 Q13.3 Q15.3 Q17.3 Q19.3 Q21.3 Q23.3 Q25.3 Q26.2 Q28.2 Q29.2 Q30.2 Q31.2 Q32.2 Q33.2 Q34.2 R2.1 R5.1 R9.1 R13.1 R17.1 R21.1 R24.2 R25.1 R28.1 R30.1 R32.1 R36.1 R37.1 R38.1 R40.1 R43.1 R45.1 R50.1 R52.1 R53.2 R55.2 R57.2 R59.2 R65.2 R67.2 R70.2 R73.2 R76.2 R79.1 R82.1 R86.1 R90.1 R92.1 R93.1 R106.1 R110.1 R112.1 R115.1 R119.1 R125.1 R127.1 R129.1 R130.1 R132.1 SW1.1 SW2.1 TH1.2 TH2.2 TP5.1 TP10.1 TP12.1 TP17.1 TP23.1 TP29.1 TP37.1 TP42.1 TP43.1 TP46.1 TP51.1 TP52.1 TP72.1 U1.5 U1.16 U1.45 U1.65 U2.9 U2.11 U3.9 U3.11 U4.9 U4.11 U5.9 U5.11 U6.9 U6.11 U7.9 U7.11 U8.8 U8.9 U8.12 U8.16 U8.17 U9.6 U9.7 U9.8 U10.4 U10.9 U11.19 U11.57 U12.1 U13.1 U14.4 U14.9 U15.2 U15.4 Y1.2 Y1.4
GNDBATT: J8.1 J8.2 J8.3 J8.4 J8.5 J8.6 J8.7 J8.8 J8.9 R130.2 U15.3
+5P: C3.1 R1.2 R29.2 U1.9 U1.44 U1.54
/ControlStage/CTL_IN_ADC_IBATT_SENSE: R131.1 R132.2 TP67.1 TP96.1 U11.41
/ControlStage/CTL_LTC_IMON: R120.1 U1.10
/ControlStage/CTL_LTC_MODE: Q28.3 R46.2 TP57.1 U1.51
/ControlStage/CTL_LTC_PWM_EN: R3.2 U11.14
/ControlStage/CTL_LTC_SYNC: Q29.3 R51.1 TP55.1 U1.52
/ControlStage/CTL_OUT_RUN: Q30.3 TP56.1 U1.27
/ControlStage/QSPI_SS: R84.2 U10.1 U11.56
/ControlStage/SPI0_CSn: TP77.1 U11.3 U14.1
/ControlStage/SPI0_RX: TP80.1 U11.2 U14.2
/ControlStage/SPI0_SCK: TP78.1 U11.4 U14.6
/ControlStage/SPI0_TX: TP79.1 U11.5 U14.5
/ControlStage/SPI1_CSn: TP4.1 TP82.1 U1.37 U11.16
/ControlStage/SPI1_RX: R85.1 TP3.1 TP81.1 U1.38 U11.15
/ControlStage/SPI1_SCK: TP1.1 TP83.1 U1.40 U11.17
/ControlStage/SPI1_TX: TP2.1 TP84.1 U1.39 U11.18
/PowerStage/ExtVCC: C2.1 C5.1 D1.3 R57.1 R58.1 TP18.1 U1.42 U8.3 U8.4
/PowerStage/Phase1/PWM: R74.2 TP7.1 U1.29
/PowerStage/Phase1/PWMEN: Q1.3 R1.1 R4.2 R8.2 R12.2 R16.2 R56.2 R62.2 TP6.1 TP15.1 TP19.1 TP30.1 TP38.1 U1.28
/PowerStage/Phase1/SNSA+: C9.2 R6.2 R7.2 U1.17
/PowerStage/Phase1/SNSD+: C10.2 R7.1 U1.19
/PowerStage/Phase2/PWM: R71.2 TP20.1 U1.31
/PowerStage/Phase2/SNSA+: C15.2 R10.2 R11.2 U1.22
/PowerStage/Phase2/SNSD+: C16.2 R11.1 U1.20
/PowerStage/Phase3/PWM: R68.2 TP26.1 U1.32
/PowerStage/Phase3/SNSA+: C21.2 R14.2 R15.2 U1.23
/PowerStage/Phase3/SNSD+: C22.2 R15.1 U1.25
/PowerStage/Phase4/PWM: R20.2 TP31.1 U1.33
/PowerStage/Phase4/SNSA+: C27.2 R18.2 R19.2 U1.58
/PowerStage/Phase4/SNSD+: C28.2 R19.1 U1.56
/PowerStage/Phase5/PWM: R63.2 TP32.1 U1.34
/PowerStage/Phase5/SNSA+: C33.2 R22.2 R23.2 U1.59
/PowerStage/Phase5/SNSD+: C34.2 R23.1 U1.61
/PowerStage/Phase6/PWM: R54.2 TP39.1 U1.36
/PowerStage/Phase6/SNSA+: C39.2 R26.2 R27.2 U1.64
/PowerStage/Phase6/SNSD+: C40.2 R27.1 U1.62
ADC_BOARD_REV: R118.2 R119.2 TP87.1 U11.40
ADC_IMON_FLTR: C104.1 R120.2 TP88.1 U11.38
ADC_SEL_0: TP68.1 U9.11 U11.8
ADC_SEL_1: TP69.1 U9.10 U11.7
ADC_SEL_2: TP70.1 U9.9 U11.6
ADC_SELECTABLE: TP86.1 U9.3 U11.39
AP_VCC: C75.1 U8.2 U8.11 U8.14
DRVcc: C1.1 D10.2 U1.46
FAN_CTL: D14.2 R97.2 U11.36
FAN_SENSE: D15.2 R96.1 R123.1 U11.37
HV_DC_SENSE: C99.1 R107.2 TP91.1 U9.2
LED_STATUS_0: R128.2 U11.29
LED_STATUS_1: R126.2 U11.30
LED_STATUS_2: R124.2 U11.34
LED_STATUS_3: R94.2 U11.35
LTC_CCM: R42.2 U11.11
LTC_DCM: R41.2 U11.12
LTC_FB_HIGH: R39.2 R40.2 U1.7
LTC_FREQ: R52.2 U1.53
LTC_ILIM: R29.1 R30.2 U1.49
LTC_ITH_HIGH: C67.1 R47.2 U1.6
LTC_ITH_LOW: C68.1 R48.2 U1.4
LTC_OV_HIGH: R33.2 R36.2 TP62.1 U1.13
LTC_OV_LOW: R35.2 R38.2 TP60.1 U1.15
LTC_RUN: R83.2 U11.9
LTC_SETCUR: R28.2 TP59.1 U1.11
LTC_SS: C66.1 R93.2 TP58.1 U1.1
LTC_SYNC: R49.2 U11.13
LTC_UV_HIGH: R34.2 R37.2 TP61.1 U1.14
LTC_VFB_LOW: R31.1 R32.2 TP63.1 U1.3
LV_DC_SENSE: C98.1 R91.2 TP89.1 U9.4
RUN: C23.1 D2.1 D17.2 J4.6 R89.1 SW2.2 TP73.1 U11.26
SWCLK: D3.1 J4.9 U11.24
SWDATA: D21.1 J4.10 U11.25
TEMP_SENSE_0: C97.1 R88.2 TP85.1 U9.1
TEMP_SENSE_1: C96.1 R87.2 TP90.1 U9.15
UART0_RX: D12.2 R122.2 U11.28
UART0_TX: D13.2 R121.2 U11.27
UART1_RX: D11.2 R101.2 U11.32
UART1_TX: D9.2 R100.2 U11.31
USB_D+: R99.1 U11.47
USB_D-: R98.1 U11.46
VHIGH: C4.1 C7.1 C13.1 C19.1 C25.1 C31.1 C37.1 C71.1 C72.1 C73.1 C82.1 C83.1 D22.1 GD1.2 J1.1 J1.2 J1.3 J1.4 J1.5 J1.6 J1.7 J1.8 J1.9 Q2.1 Q4.1 Q6.1 Q8.1 Q10.1 Q12.1 Q14.1 Q16.1 Q18.1 Q20.1 Q22.1 Q24.1 R33.1 R34.1 R39.1 R53.1 R81.2 U1.48
VLOW: C9.1 C10.1 C11.1 C15.1 C16.1 C17.1 C21.1 C22.1 C27.1 C28.1 C33.1 C34.1 C35.1 C39.1 C40.1 C41.1 C42.1 C43.1 C44.1 C45.1 C46.1 C47.1 C48.1 C50.1 C51.1 C53.1 C54.1 C55.1 C56.1 C57.1 C58.1 C59.1 C60.1 C61.1 C62.1 C63.1 C64.1 C65.1 D1.1 D1.2 D23.1 GD2.2 J2.1 J2.2 J2.3 J2.4 J2.5 J2.6 J2.7 J2.8 J2.9 L1.1 L2.2 L3.1 L4.2 L5.1 L6.2 R31.2 R35.1 R55.1 R78.2 TP11.1 TP41.1 TP45.1 TP48.1 TP50.1 TP54.1 U1.18 U1.21 U1.24 U1.57 U1.60 U1.63
Net-(C52-Pad2): C52.2 R95.1 Y1.3
Net-(C69-Pad1): C69.1 R47.1
Net-(C70-Pad1): C70.1 R48.1
Net-(C76-Pad2): C76.2 L7.1 U8.6 U8.7
Net-(D4-A): D4.2 P1.A4 P1.A9 P1.B4 P1.B9
Net-(D5-A): D5.2 R102.2
Net-(D5-K): D5.1 Q31.3
Net-(D6-A): D6.2 R103.2
Net-(D6-K): D6.1 Q32.3
Net-(D7-A): D7.2 R104.2
